# KiCad board CEM.kicad_pcb
title: Rear Electronic Module REM; date: 2024-05-23; rev: rev. 06-2024; company: AEONLABS.SCIENCE; note: https://github.com/aeonSolutions; note: License Creative Commons Share Alike non-commercial; note: a PCB for the REM on 1998-2004 Volvo P2 models; note: a direct replacement of the factory's original pcb
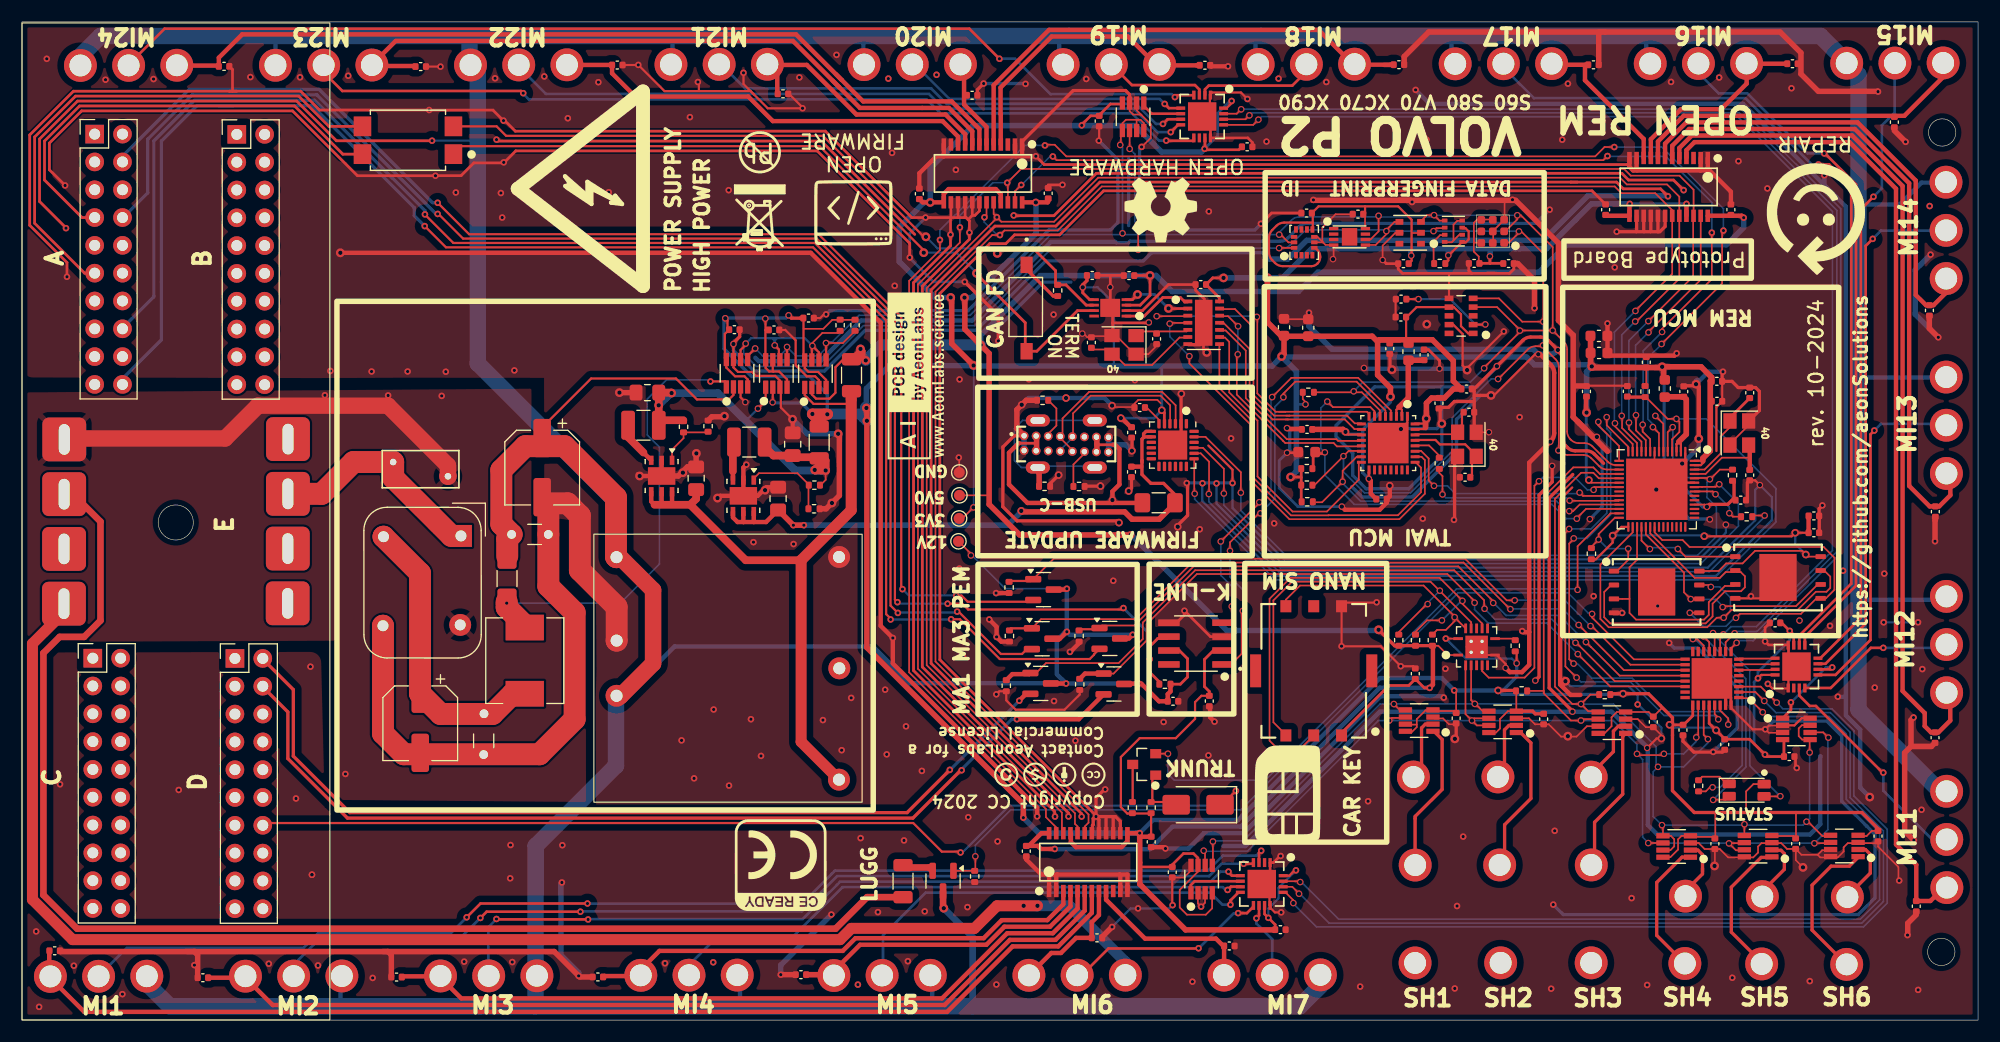
[diagram p0: board, top side]
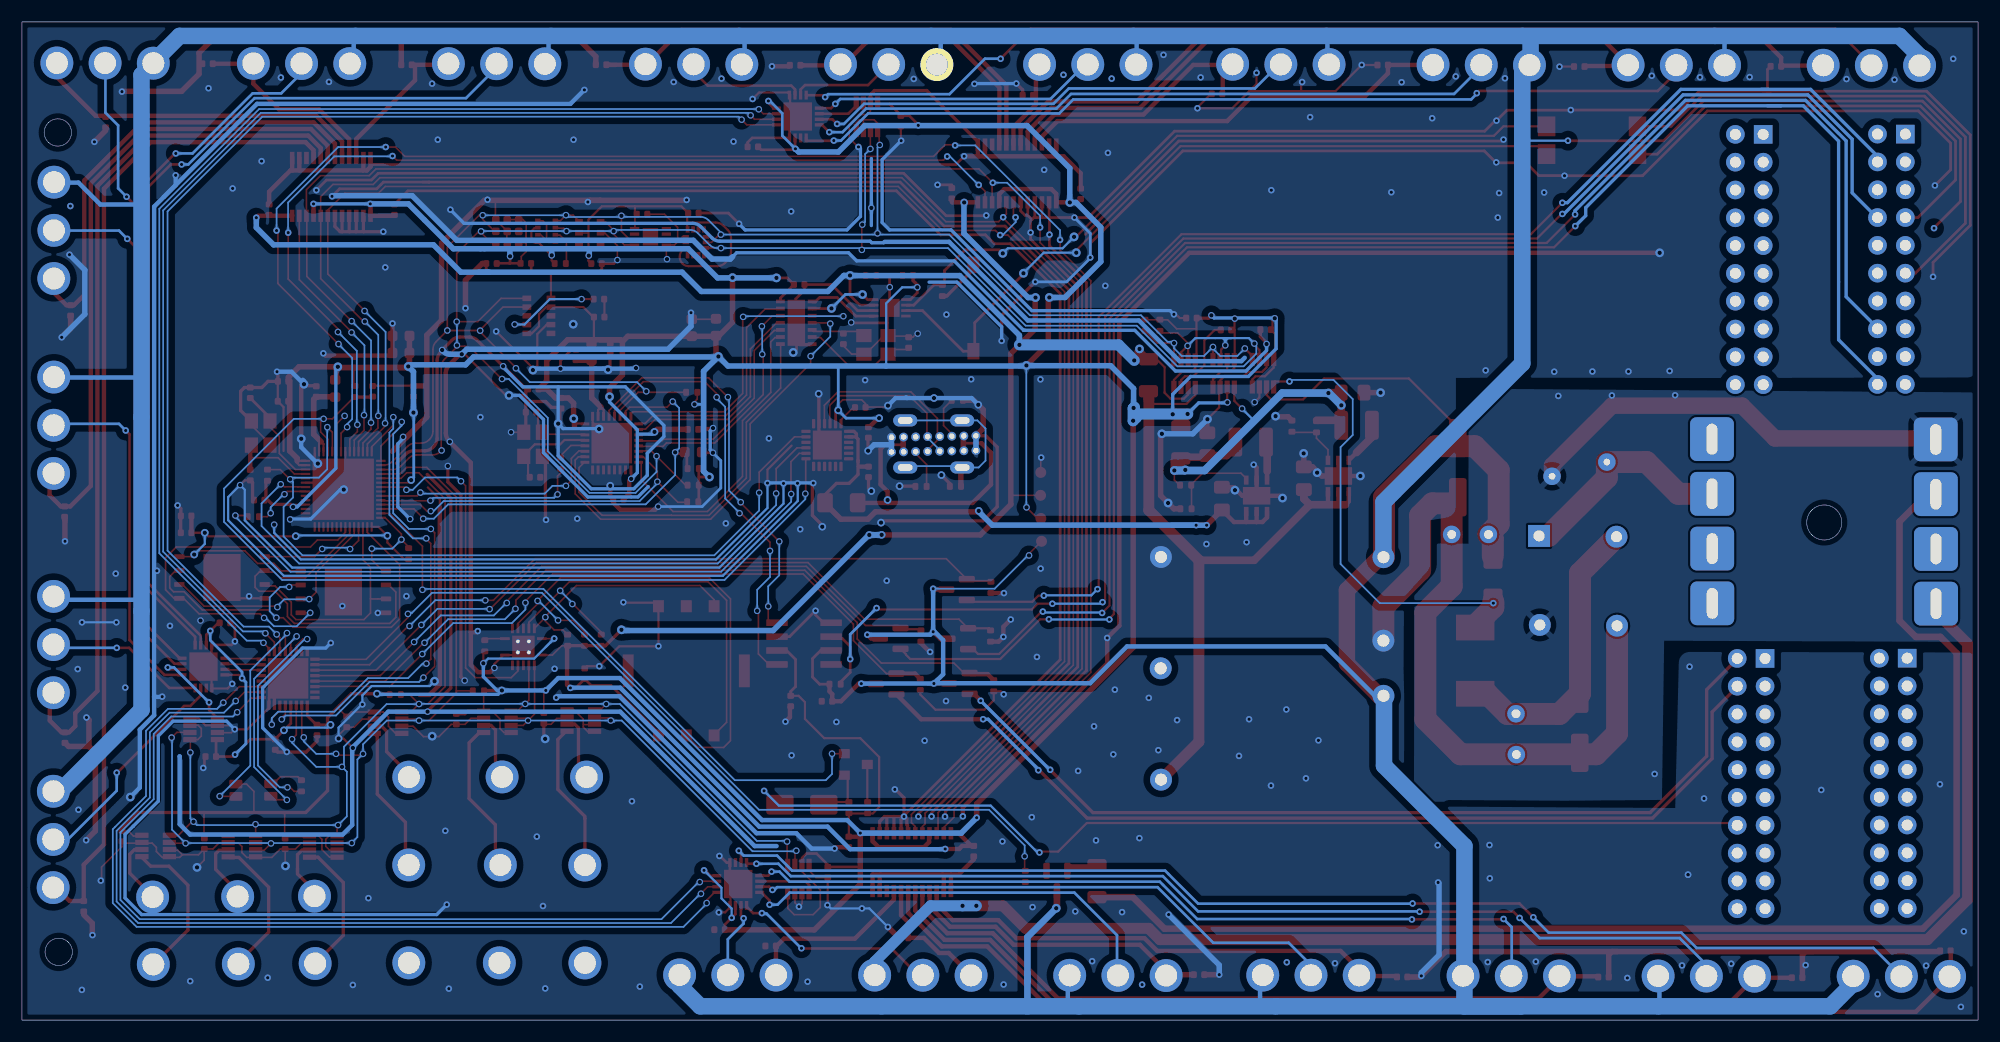
[diagram p1: board, bottom side, seen from below]

Outline 178.52 x 91.17 mm; copper layers: Top, Bottom. Coordinates in mm from the lower left corner of the outline.

## Placement (name value [footprint] x y rotation side)
3V3  3V3  [TestPoint_Pad_D1.0mm]  85.53 45.82 90 top
5V0  5V0  [TestPoint_Pad_D1.0mm]  85.56 47.93 90 top
ACPM_C1  100nF  [C_0402_1005Metric]  151.59 26.49 90 top
ACPM_C2  100nF  [C_0402_1005Metric]  155.4 25.17 90 top
AH_C1  100nF  [C_0402_1005Metric]  126.08 69.09 0 top
ATC1  100nF  [C_0402_1005Metric]  121.93 73.61 0 top
AUR1  AUR9718x_DFN_3x3mm_6_pin  [AUR9718 ST1S09 SON95P300X300X100-7N]  65.84 47.89 270 top
AUR2  AUR9718x_DFN_3x3mm_6_pin  [AUR9718 ST1S09 SON95P300X300X100-7N]  58.38 49.7 270 top
AUR_C1  22uF  [C_0805_2012Metric_Pad1.18x1.45mm_HandSolder]  70.34 52.6 90 top
AUR_C2  4.7uF  [C_0805_2012Metric_Pad1.18x1.45mm_HandSolder]  69.01 47.63 90 top
AUR_C3  22uF  [C_0805_2012Metric_Pad1.18x1.45mm_HandSolder]  57.08 57.31 180 top
AUR_C4  4.7uF  [C_0805_2012Metric_Pad1.18x1.45mm_HandSolder]  61.53 49.49 90 top
AUR_l1  3.3uF  [L_1210_3225Metric]  66.38 52.79 180 top
AUR_l2  3.3uF  [L_1210_3225Metric]  56.72 54.33 180 top
AUR_R1  24k  [R_0402_1005Metric]  72.29 46.7 0 top
AUR_R2  75k  [R_0402_1005Metric]  72.32 48.86 180 top
AUR_R3  24k  [R_0402_1005Metric]  62.62 54.25 90 top
AUR_R4  75k  [R_0402_1005Metric]  60.38 54.19 270 top
BMPR1  10k  [R_0402_1005Metric]  129.39 69.1 0 top
C1  100uF  [CP_Elec_6.3x7.7]  36.35 27.11 270 top
C3_C1  10uF  [C_0603_1608Metric]  115.18 63.28 90 top
C3_C2  10uF  [C_0603_1608Metric]  117.39 63.24 90 top
C3_P2_L1  2nH  [L_0603_1608Metric]  126.54 61.05 270 top
C3_P32_C1  100nF  [C_0402_1005Metric]  129.32 56.34 90 top
C3P2_C1  100nF  [C_0402_1005Metric]  127.96 60.76 90 top
C3P2_C2  100nF  [C_0402_1005Metric]  124.83 61.33 270 top
C3P6_R1  10k  [R_0402_1005Metric]  117.4 57.34 0 top
C3P7_C1  1uF  [C_0603_1608Metric]  117.26 51.88 0 top
C3P7_R1  10k  [R_0402_1005Metric]  117.26 50.37 0 top
C3P11_C1  100nF  [C_0402_1005Metric]  117.28 53.95 180 top
C3P14_R1  10k  [R_0402_1005Metric]  117.26 48.86 0 top
C3P15_R1  10k  [R_0402_1005Metric]  117.3 47.34 0 top
C3P17_C1  100nF  [C_0402_1005Metric]  124.08 47.58 0 top
C3P28_R1  499R  [R_0402_1005Metric]  129.35 50.86 90 top
C3P32_C1  1uF  [C_0402_1005Metric]  131.84 57.64 180 top
C3XTAL32_2  32.768Mhz  [Crystal_SMD_3225-4Pin_3.2x2.5mm]  100.58 61.67 180 top
C3XTAL40_1  40Mhz  [Crystal_SMD_3225-4Pin_3.2x2.5mm]  131.87 52.59 90 top
C3XTAL40_C1  22pF  [C_0402_1005Metric]  132.06 55.52 0 top
C3XTAL40_C2  22pF  [C_0402_1005Metric]  131.7 49.58 180 top
C4  1uF  [C_Disc_D3.0mm_W1.6mm_P2.50mm#2]  42.14 26.75 270 top
C5  100uF  [CP_Elec_6.3x7.7]  47.48 50.46 270 top
C6  1uF  [C_Disc_D3.0mm_W1.6mm_P2.50mm]  45.54 44.36 0 top
CHC1  1uF  [C_0402_1005Metric]  101.26 50.07 270 top
CHC2  1uF  [C_0402_1005Metric]  102.01 55.95 0 top
CHC3  1uF  [C_0402_1005Metric]  101.27 53.67 270 top
DMP1045_R1  10K  [R_0402_1005Metric]  86.95 13.12 270 top
DMP1045_R2  10K  [R_0402_1005Metric]  89.83 30.54 270 top
DMP1045_R3  10K  [R_0402_1005Metric]  96.53 30.66 270 top
DMP1045_R4  10K  [R_0402_1005Metric]  90.12 35.08 270 top
DMP1045_R5  10K  [R_0402_1005Metric]  96.48 35.08 270 top
DMP1045_R7  10K  [R_0402_1005Metric]  90.09 39.52 270 top
DMP1045U_1  DMP1045U  [SOT-23]  84.06 12.7 270 top
DMP1045U_2  DMP1045U  [SOT-23]  92.97 30.75 0 top
DMP1045U_3  DMP1045U  [SOT-23]  99.65 30.7 0 top
DMP1045U_4  DMP1045U  [SOT-23]  93.11 34.84 0 top
DMP1045U_5  DMP1045U  [SOT-23]  99.28 34.86 0 top
DMP1045U_7  DMP1045U  [SOT-23]  93.23 39.32 0 top
E_SPI_C1  100nF 10% 16V  [C_0402_1005Metric]  163.53 44.51 0 top
E_SPI_C2  1uF 10% 50V  [C_0402_1005Metric]  163.53 46.05 0 top
ENS_C1  100nF  [C_0402_1005Metric]  135.67 69.1 180 top
ENS_C2  1uF  [C_0402_1005Metric]  132.53 69.11 0 top
ENS_C3  100nF  [C_0402_1005Metric]  127.16 31.64 270 top
EPS1  ESP32-PSRAM_LY68L6400S  [WSON8 FLASH SPI SON127P800X600X80-9N]  149.19 39.11 0 top
ER1  1R  [R_1206_3216Metric]  44.27 40.32 90 top
ER2  1R  [R_1206_3216Metric]  75.71 58.9 90 top
ER3  1R  [R_1206_3216Metric]  72.76 52.77 270 top
ER4  1R  [R_1206_3216Metric]  80.41 12.69 270 top
ESP32S1  ESP32-S3  [QFN-56-1EP_7x7mm_P0.4mm_EP5.6x5.6mm]  149.2 48.48 270 top
ESP_FLASH1  W25Q128JVS  [WSON8 FLASH SPI SON127P800X600X80-9N]  160.26 40.42 0 top
FL1  CANBUS TDK ZJYS51R5-2PT-01  [TDK ZJYS  CANBUS]  35.23 80.36 180 top
G***  LOGO  [right_repair]  163.72 73.13 180 top
G***#2  LOGO  [aeon creative commons logos]  93.82 22.37 180 top
G***#3  LOGO  [aeonlabs science]  81.62 58.83 90 top
G***#4  LOGO  [open_firmware]  76.03 74.69 180 top
G***#5  LOGO  [CE Ready Small Logo]  69.25 14.15 180 top
G***#6  LOGO  [sim_card]  115.5 20.73 0 top
GND1  GND  [TestPoint_Pad_D1.0mm]  85.54 50.02 90 top
HLL1  SQ1010_8x5mm  [Common Mode Inductor SQ1010 8x5mm]  37.39 40.41 270 top
HLV1  Varistor  [RV_Disc_D7mm_W3.4mm_P5mm]  33.88 50.97 0 top
IC_ENS1  ~  [ENS160 Gas Semsor]  134.26 72.05 180 top
IMU1  LSM6DS3  [LSM6DS3 Motion Sensor PQFN50P300X250X86-14N]  117.02 71.03 90 top
INA1  INA219AIDCNR  [INA219AIDCNR SOT65P280X145-8N]  68.85 59.06 90 top
INA1_C1  100nF  [C_0402_1005Metric]  68.64 63.03 180 top
INA1_C2  100nF  [C_0402_1005Metric]  71.79 64.12 180 top
INA1_C3  100nF  [C_0402_1005Metric]  65.02 63.06 180 top
INA1_C4  100nF  [C_0402_1005Metric]  130.89 27.58 90 top
INA1_C5  100nF  [C_0402_1005Metric]  138.88 27.5 90 top
INA1_C6  100nF  [C_0402_1005Metric]  148.88 27.23 90 top
INA1_C7  100nF  [C_0402_1005Metric]  154.5 16.11 90 top
INA1_C8  100nF  [C_0402_1005Metric]  161.87 16.11 90 top
INA1_C9  100nF  [C_0402_1005Metric]  169.39 16.8 90 top
INA1_C10  100nF  [C_0402_1005Metric]  104.98 13.5 90 top
INA1_C11  100nF  [C_0402_1005Metric]  161.28 24.07 180 top
INA1_C12  100nF  [C_0402_1005Metric]  98.31 82.11 90 top
INA2  INA219AIDCNR  [INA219AIDCNR SOT65P280X145-8N]  72.42 59.04 90 top
INA3  INA219AIDCNR  [INA219AIDCNR SOT65P280X145-8N]  65.26 59.08 90 top
INA4  INA219AIDCNR  [INA219AIDCNR SOT65P280X145-8N]  127.52 27.36 180 top
INA5  INA219AIDCNR  [INA219AIDCNR SOT65P280X145-8N]  135.13 27.24 180 top
INA6  INA219AIDCNR  [INA219AIDCNR SOT65P280X145-8N]  145.11 27.17 180 top
INA7  INA219AIDCNR  [INA219AIDCNR SOT65P280X145-8N]  151.02 15.86 180 top
INA8  INA219AIDCNR  [INA219AIDCNR SOT65P280X145-8N]  158.45 15.89 180 top
INA9  INA219AIDCNR  [INA219AIDCNR SOT65P280X145-8N]  166.31 15.91 180 top
INA10  INA219AIDCNR  [INA219AIDCNR SOT65P280X145-8N]  107.66 12.88 90 top
INA11  INA219AIDCNR  [INA219AIDCNR SOT65P280X145-8N]  161.94 26.59 0 top
INA12  INA219AIDCNR  [INA219AIDCNR SOT65P280X145-8N]  101.41 82.5 270 top
J1  USB4120-03-C_REVA  [USB-C Vertical GCT_USB4120-03-C_REVA]  95.31 52.62 0 top
J2  Nano Sim SIM8051-6-0-14-00-X-REVD  [Nano Sim GCT_SIM8051-6-0-14-00-X-REVD]  117.89 31.9 0 top
KTS1  KTS1620 GPIO Exprander I2C 24bit  [KTS1620 24bit IO Expander QFN32 5x5mm.lib]  154.23 31.21 180 top
L1  10uH  [L_Chilisin_BMRB00060650]  45.89 32.83 90 top
LED1  LED_GBRC  [LED_1206_3210_RGB_Metric]  157.17 20.95 0 top
LIN_C1  100nF  [C_0402_1005Metric]  105.05 29.12 0 top
LIN_C2  100nF  [C_0402_1005Metric]  108.36 29.14 270 top
LSM_C4  100nF  [C_0402_1005Metric]  117.24 73.71 0 top
MCP_P3_C1  100nF  [C_0402_1005Metric]  101.03 68 180 top
MCP_P5_C2  100nF  [C_0402_1005Metric]  97.68 68.01 0 top
MCP_P14_C1  100nF  [C_0402_1005Metric]  107.59 67.18 180 top
MCPXTAL32_C1  22pF  [C_0402_1005Metric]  97.6 61.89 90 top
MCPXTAL32_C2  22pF  [C_0402_1005Metric]  103.55 62.22 270 top
MPR3  500R  [R_0402_1005Metric]  76.03 63.46 90 top
MPR4  500R  [R_0402_1005Metric]  74.67 63.47 90 top
MPR5  2k  [R_0402_1005Metric]  144.45 29.73 0 top
MPR6  2k  [R_0402_1005Metric]  136.86 30.07 180 top
NCV1_C2  100nF  [C_0402_1005Metric]  110.19 6.77 0 top
NCV1_C3  100nF  [C_0402_1005Metric]  98.11 7.51 0 top
NCV1_C4  100nF  [C_0402_1005Metric]  2.99 6.33 0 top
NCV1_C5  100nF  [C_0402_1005Metric]  16.52 3.87 180 top
NCV1_C6  100nF  [C_0402_1005Metric]  34.19 3.93 180 top
NCV1_C7  100nF  [C_0402_1005Metric]  71.1 4.15 180 top
NCV1_C8  100nF  [C_0402_1005Metric]  52.56 3.94 180 top
NCV1_C9  100nF  [C_0402_1005Metric]  93.66 75.52 90 top
NCV1_C10  100nF  [C_0402_1005Metric]  81.9 75.47 90 top
NCV2_C7  100nF  [C_0402_1005Metric]  144.53 74.02 90 top
NCV2_C8  100nF  [C_0402_1005Metric]  155.96 74.02 90 top
NCV2_C10  100nF  [C_0402_1005Metric]  172.88 10.4 270 top
NCV2_C11  100nF  [C_0402_1005Metric]  174.59 25.8 270 top
NCV2_C12  100nF  [C_0402_1005Metric]  174.62 46.44 270 top
NCV2_C13  100nF  [C_0402_1005Metric]  174.08 64.81 270 top
NCV2_C14  100nF  [C_0402_1005Metric]  170.88 82.02 270 top
NCV2_C15  100nF  [C_0402_1005Metric]  161.58 87.35 0 top
NCV2_C16  100nF  [C_0402_1005Metric]  143.42 87.25 0 top
NCV3_C13  100nF  [C_0402_1005Metric]  103.06 16.28 270 top
NCV3_C14  100nF  [C_0402_1005Metric]  91.66 15.43 270 top
NCV3_C18  100nF  [C_0402_1005Metric]  107.96 87.21 0 top
NCV3_C19  100nF  [C_0402_1005Metric]  125.67 87.26 0 top
NCV3_C20  100nF  [C_0402_1005Metric]  86.72 84.47 0 top
NCV3_C21  100nF  [C_0402_1005Metric]  18.45 87.11 0 top
NCV3_C22  100nF  [C_0402_1005Metric]  36.4 87.09 0 top
NCV3_C23  100nF  [C_0402_1005Metric]  69.46 84.6 0 top
NCV3_C24  100nF  [C_0402_1005Metric]  54.34 87.23 0 top
NPN1  ~  [NPN & PNP SOT-23]  102.42 23.35 180 top
PSRAM_R1  100K  [R_0402_1005Metric]  143.23 42.6 270 top
PWR_FUSE1  Polyfuse  [Fuse_1206_3216Metric_Pad1.42x1.75mm_HandSolder]  103.74 47.25 180 top
R1  120R  [R_0402_1005Metric]  94.52 66.64 270 top
REF**  -  [Symbol_Highvoltage_Type2_Front_Silk_Small]  52.87 75.93 90 top
REF**#2  -  [OSHW-Symbol_6.7x6mm_SilkScreen]  103.94 74.01 180 top
RGB_R1  330R  [R_0402_1005Metric]  153.01 21.4 90 top
RV_C1  47pF  [C_0402_1005Metric]  125.84 64.21 0 top
RV_C2  47pF  [C_0402_1005Metric]  125.87 65.85 0 top
S1  DIP Switch 1 toggle  [Dip Switch 1_toggle]  91.69 65.54 270 top
S3_VDD3_C1  10uF  [C_0603_1608Metric]  143.92 62.49 0 top
S3_VDD3_C2  10uF  [C_0603_1608Metric]  143.93 60.93 0 top
S3_XTAL40_1  40Mhz 22pF+-10PPM  [Crystal_SMD_3225-4Pin_3.2x2.5mm]  156.73 53.62 270 top
S3_XTAL40_C1  22pF 5% 50V  [C_0402_1005Metric]  157.68 57.3 90 top
S3_XTAL40_C2  22pF 5% 50V  [C_0402_1005Metric]  157.68 49.78 270 top
S3P2_C1  100nF  [C_0402_1005Metric]  148.24 60.08 90 top
S3P2_C2  100nF  [C_0402_1005Metric]  151.66 57.41 90 top
S3P2_L1  12nH 5%  [L_0603_1608Metric]  149.93 57.69 270 top
S3P4_C1  100nF  [C_0402_1005Metric]  146.51 57.43 270 top
S3P4_R1  10k  [R_0402_1005Metric]  148.13 57.41 270 top
S3P20_C1  100nF  [C_0402_1005Metric]  142.78 57.42 90 top
S3P46_C1  100nF  [C_0402_1005Metric]  156.86 47.49 0 top
S3P49_R1  499R  [R_0402_1005Metric]  157.4 45.98 180 top
S3P52_R1  10k  [R_0402_1005Metric]  156.11 49.77 90 top
S3P52_R2  10k  [R_0402_1005Metric]  127.18 34.7 90 top
S3P52_R3  10k  [R_0402_1005Metric]  125.65 34.7 90 top
S3P52_R4  10k  [R_0402_1005Metric]  128.72 34.7 90 top
S3P55_C1  100nF  [C_0402_1005Metric]  154.69 56.52 180 top
S3P55_C2  1uF  [C_0402_1005Metric]  154.68 58.34 180 top
Sign-PbFree  -  [LOGO_PBFREE]  67.14 79.57 180 top
Sign-RecycleBin  -  [LOGO_RECYCLEBIN_1]  69.67 76.31 180 top
TP1  12V  [TestPoint_Pad_D1.0mm]  85.47 43.73 90 top
TRUNK_D1  SS12  [D_SMA]  107.34 19.67 180 top
TRUNK_R1  10K  [R_0402_1005Metric]  103.05 19.41 270 top
TRUNK_R2  10K  [R_0402_1005Metric]  101.34 19.41 270 top
TX1_C1  100nF  [C_0402_1005Metric]  111.81 79.76 180 top
TX1_C2  100nF  [C_0402_1005Metric]  114.85 8.26 180 top
TX1_C13  100nF  [C_0402_1005Metric]  159.99 36.28 0 top
TXMUX1  ~  [TMUX8108 WQFN 16]  113.22 12.5 270 top
TXR1  10K  [R_0402_1005Metric]  136.28 34.19 90 top
TXR2  10K  [R_0402_1005Metric]  104.31 30.68 180 top
TXS1  TXS0104ERGYR  [TXS104 Bidirectional Logic Shifter]  132.76 34.09 90 top
U1  ~  [Volvo P2 -04 CEM & REM PCB layout]  105.47 45.39 90 top
U2  ~  [Hi Link DCDC]  63.65 31.75 0 top
U3  ~  [CH9102F]  105.02 52.52 270 top
U4  ESP32C3  [ESP32 C3]  124.69 52.7 270 top
U5  ATSHA204A-MAHDA-T  [ATSHA204A-MAHDA-T UDFN-8]  121.16 71.54 0 top
U6  MCP2558FDT-H/MNY  [MCP2558FD CAN Transceiver]  99.32 65.05 180 top
U7  BMP280  [XDCR_BMP280]  130.64 72.06 180 top
U8  AHT20  [AHT20 PSON100P300X300X110-6N]  126.7 71.91 180 top
U9  MCP2517FD-H_JHA  [MCP2517FD CAN Controller]  107.85 63.69 0 top
U10  NCV7240DPR2G  [NCV7240 Relay Driver]  87.71 77.33 270 top
U11  NCV7240DPR2G  [NCV7240 Relay Driver]  150.28 76.1 270 top
U12  NCV7240DPR2G  [NCV7240 Relay Driver]  97.31 14.43 90 top
U13  ~  [TMUX8108 WQFN 16]  107.78 82.6 270 top
U14  ~  [TMUX8108 WQFN 16]  161.88 32.22 90 top
U15  SN65HVDA195QDRQ1 K-Line  [SN65HVDA195 K-Line]  107.15 34.39 180 top
U16  RV-1805-C3_Power_Gating  [IC_RV-1805-C3 Power Gating]  131.34 64.32 180 top
USB_PLUG_R1  5k1  [R_0402_1005Metric]  93.15 56.61 180 top
USB_PLUG_R2  5k1  [R_0402_1005Metric]  96.47 48.74 0 top
USB_PLYG_R1  150K  [R_0402_1005Metric]  93.33 48.75 0 top

## Library data of the parts
3V3 5V0 GND1 TP1 = -: ki_fp_filters: Pin* Test*
ACPM_C1 ACPM_C2 AH_C1 ATC1 AUR_C1-AUR_C4 C3_C1 C3_C2 C3_P32_C1 C3P2_C1 C3P2_C2 C3P7_C1 C3P11_C1 C3P17_C1 C3P32_C1 C3XTAL40_C1 C3XTAL40_C2 CHC1-CHC3 E_SPI_C1 E_SPI_C2 ENS_C1-ENS_C3 INA1_C1-INA1_C12 LIN_C1 LIN_C2 LSM_C4 MCP_P3_C1 MCP_P5_C2 MCP_P14_C1 MCPXTAL32_C1 MCPXTAL32_C2 NCV1_C2-NCV1_C10 NCV2_C7 NCV2_C8 NCV2_C10-NCV2_C16 NCV3_C13 NCV3_C14 NCV3_C18-NCV3_C24 RV_C1 RV_C2 S3_VDD3_C1 S3_VDD3_C2 S3_XTAL40_C1 S3_XTAL40_C2 S3P2_C1 S3P2_C2 S3P4_C1 S3P20_C1 S3P46_C1 S3P55_C1 S3P55_C2 TX1_C1 TX1_C2 TX1_C13 = -: ki_fp_filters: C_*
AUR1 AUR2 = -: Datasheet: https://www.infineon.com/dgdl/auips7111s.pdf?fileId=5546d462533600a4015355a7c94e1326; Description: Current Sense High Side Switch, 65V, 30A, D2PAK-5L; ki_fp_filters: TO?263*
AUR_l1 AUR_l2 C3_P2_L1 HLL1 S3P2_L1 = -: ki_fp_filters: Choke_* *Coil* Inductor_* L_*
AUR_R1-AUR_R4 BMPR1 C3P6_R1 C3P7_R1 C3P14_R1 C3P15_R1 C3P28_R1 DMP1045_R1-DMP1045_R5 DMP1045_R7 ER1-ER4 MPR3-MPR6 PSRAM_R1 RGB_R1 S3P4_R1 S3P49_R1 S3P52_R1-S3P52_R4 TRUNK_R1 TRUNK_R2 TXR1 TXR2 USB_PLUG_R1 USB_PLUG_R2 USB_PLYG_R1 = -: ki_fp_filters: R_*
C1 C5 = -: Voltage: 50V; Digikey Part Number: PCE3925CT-ND; Manufacturer_Name: Panasonic; Manufacturer_Part_Number: EEE-1HA330XP; URL: https://www.digikey.com.au/product-detail/en/panasonic-electronic-components/EEE-1HA330XP/PCE3925CT-ND/766301; ki_fp_filters: CP_*
C3XTAL32_2 C3XTAL40_1 S3_XTAL40_1 = -: ki_fp_filters: Crystal*
C4 C6 = -: Description: Unpolarized capacitor; ki_fp_filters: C_*
DMP1045U_1-DMP1045U_5 DMP1045U_7 = -: STANDARD: IPC 7351B; MANUFACTURER: Diodes Inc.; MAXIMUM_PACKAGE_HEIGHT: 1.1 mm; PARTREV: 7 - 2
EPS1 = -: Datasheet: https://www.espressif.com/sites/default/files/documentation/esp-psram32_datasheet_en.pdf; ki_fp_filters: SOIC*3.9x4.9mm?P1.27mm*
ESP_FLASH1 = -: Datasheet: http://www.winbond.com/resource-files/w25q128jv_dtr%20revc%2003272018%20plus.pdf; ki_fp_filters: SOIC*5.23x5.23mm*P1.27mm*
FL1 = -: MF: TDK; Description_1: 2 Line Common Mode Choke Surface Mount 200 Ohms @ 100 MHz 2A DCR 120mOhm; Package: Horizontal-4 TDK; Price: None; Check_prices: https://www.snapeda.com/parts/ZJYS51R5-2PT-01/TDK/view-part/?ref=eda; STANDARD: Manufacturer Recommendations; SnapEDA_Link: https://www.snapeda.com/parts/ZJYS51R5-2PT-01/TDK/view-part/?ref=snap; MP: ZJYS51R5-2PT-01; Availability: In Stock; MANUFACTURER: TDK CORPORATION
HLV1 = -: ki_fp_filters: RV_* Varistor*
IMU1 = -: Datasheet: www.st.com/resource/en/datasheet/lsm6ds3.pdf; ki_fp_filters: LGA*3x2.5mm*P0.5mm*LayoutBorder3x4y*
INA1-INA12 = -: Description: 26V, 12-bit, i2c output current/voltage/power monitor; MF: Texas Instruments; Package: SOT-23-8 Texas Instruments; Price: None; SnapEDA_Link: https://www.snapeda.com/parts/INA219AIDCNR/Texas+Instruments/view-part/?ref=snap; Purchase-URL: https://www.snapeda.com/api/url_track_click_mouser/?unipart_id=271718&manufacturer=Texas Instruments&part_name=INA219AIDCNR&search_term=None; Availability: In Stock; Check_prices: https://www.snapeda.com/parts/INA219AIDCNR/Texas+Instruments/view-part/?ref=eda
J1 = -: Description: USB 2.0 Connector Type C Vertical Receptacle, 6.50mm profile, 16 Pins, Surface mount, Top mount, low profile, low cost; MF: Global Connector Technology; MAXIMUM_PACKAGE_HEIGHT: 6.5mm; Package: None; Price: None; Check_prices: https://www.snapeda.com/parts/USB4120-03-C/Global+Connector+Technology/view-part/?ref=eda; STANDARD: Manufacturer Recommendations; PARTREV: A; SnapEDA_Link: https://www.snapeda.com/parts/USB4120-03-C/Global+Connector+Technology/view-part/?ref=snap; MP: USB4120-03-C; Availability: In Stock; MANUFACTURER: GCT
J2 = -: MANUFACTURER: GCT
KTS1 = -: Description: ARM Microcontrollers - MCU CORTEX M0+32K FLASH; MANUFACTURER_PART_NUMBER: MKL02Z32VFM4; RS_PRICE-STOCK: http://uk.rs-online.com/web/p/products/7884732; RS_PART_NUMBER: 7884732; MOUSER_PART_NUMBER: 841-MKL02Z32VFM4; MOUSER_PRICE-STOCK: https://www.mouser.com/Search/Refine.aspx?Keyword=841-MKL02Z32VFM4; HEIGHT: 1mm
L1 = -: Description: Inductor; ki_fp_filters: Choke_* *Coil* Inductor_* L_*
LED1 = -: ki_fp_filters: LED* LED_SMD:* LED_THT:*
PWR_FUSE1 = -: ki_fp_filters: *polyfuse* *PTC*
R1 = -: Manufacturer_Name: Yageo; Manufacturer_Part_Number: RC0805FR-07120RL; URL: https://www.digikey.com/products/en?keywords=311-120CRCT-ND; Digikey Part Number: 311-120CRCT-ND; ki_fp_filters: R_*
S1 = -: PARTREV: V0.0; MANUFACTURER: CUI Inc.; STANDARD: Manufacturer Recommendations; MAXIMUM_PACKAGE_HEIGHT: 4.86 mm
TRUNK_D1 = -: Datasheet: https://www.vishay.com/docs/88746/ss12.pdf; Description: 20V 1A Schottky Diode, SMA; ki_fp_filters: D*SMA*
TXS1 = -: MANUFACTURER: TEXAS INSTRUMENTS; PARTREV: H; STANDARD: IPC 7351B
U4 = -: Description: WiFi Modules (802.11) (Engineering Samples Only) SMD IC ESP32-C3, RISC-V single-core MCU, 2.4G Wi-Fi & BLE 5.0 combo, QFN 32-pin, 5*5 mm, 40 ~ 105C; MF: Espressif Systems; Package: VFQFN-32 Espressif Systems; Price: None; SnapEDA_Link: https://www.snapeda.com/parts/ESP32-C3/Espressif+Systems/view-part/?ref=snap; MP: ESP32-C3; Purchase-URL: https://www.snapeda.com/api/url_track_click_mouser/?unipart_id=5833677&manufacturer=Espressif Systems&part_name=ESP32-C3&search_term=None; Availability: In Stock; Check_prices: https://www.snapeda.com/parts/ESP32-C3/Espressif+Systems/view-part/?ref=eda; Description_1: WiFi Modules (802.11) (Engineering Samples Only) SMD IC ESP32-C3, RISC-V single-core MCU, 2.4G Wi-Fi & BLE 5.0 combo, QFN 32-pin, 5*5 mm, 40 ~ 105C
U5 = -: MANUFACTURER: Microchip; STANDARD: Manufacturer recommendation; PART_REV: A
U6 = -: ki_fp_filters: TDFN8_MNY_MCH TDFN8_MNY_MCH-M TDFN8_MNY_MCH-L
U7 = -: Description: Pressure Sensor 4.35PSI ~ 15.95PSI (30kPa ~ 110kPa) Absolute - 16b 8-SMD; MF: Bosch; Package: SMD-8 Bosch Sensortec; Price: None; Check_prices: https://www.snapeda.com/parts/BMP280/Bosch+Sensortec/view-part/?ref=eda; PART_REV: 1.19; STANDARD: MANUFACTURER RECOMMENDATIONS; SnapEDA_Link: https://www.snapeda.com/parts/BMP280/Bosch+Sensortec/view-part/?ref=snap; Purchase-URL: https://pricing.snapeda.com/search?q=BMP280&ref=eda; Availability: In Stock; MANUFACTURER: Bosch
U8 = -: STANDARD: IPC 7351B; MAXIMUM_PACKAGE_HEIGHT: 1.1mm; PARTREV: V1.0; MANUFACTURER: Asair
U9 = -: MF: Microchip; Description_1: CANbus Controller CAN 2.0 SPI Interface 14-VDFN (4.5x3); Package: VDFN-14 Microchip Technology; Price: None; Check_prices: https://www.snapeda.com/parts/MCP2517FD-H/JHA/Microchip/view-part/?ref=eda; SnapEDA_Link: https://www.snapeda.com/parts/MCP2517FD-H/JHA/Microchip/view-part/?ref=snap; MP: MCP2517FD-H/JHA; Availability: In Stock; Manufacturer: Microchip
U10-U12 = -: Datasheet: http://www.onsemi.com/pub/Collateral/NCV7240-D.PDF; MOUSER_DESCRIPTION: NCV7240 Series 5 V 1.5 Ohm Low Side Octal Low-Side Relay Driver - SSOP-24; NUMBER_OF_OUTPUTS: 8; Check_prices: https://www.snapeda.com/parts/NCV7240DPR2G/Onsemi/view-part/?ref=eda; MOUSER_PART_NUMBER: 863-NCV7240DPR2G; MFG_PACKAGE_IDENT_DATE: 07/2010; PREFIX: U; MAX_SUPPLY_VOLTAGE: 5V; TEMPERATURE_RANGE_LOW: -40°C; OUTPUT_CURRENT: 600mA; ON_STATE_RESISTANCE: 1.5Ω; LEAD_FREE: yes; CENTROID_NOT_SPECIFIED: No; Description_1: NCV7240DPR2G, Octal MOSFET Power Driver, 600mA, 3.3 V, 5V, 24-Pin SSOP | ON Semiconductor NCV7240DPR2G; PIN_0_0_17_INSIDE_EDGE: clock; Price: None; Package: SSOP-24 ON Semiconductor; DEVICE_CLASS_L1: Integrated Circuits (ICs); DEVICE_CLASS_L3: Hot Swap Controllers; DEVICE_CLASS_L2: Power Management ICs; MAX_JUNCTION_TEMP: +150°C; FOOTPRINT_URL: http://www.onsemi.com/pub/Collateral/565AL.PDF; PACKAGE: SSOP24; MFG_PACKAGE_IDENT: 565AL-01; SnapEDA_Link: https://www.snapeda.com/parts/NCV7240DPR2G/Onsemi/view-part/?ref=snap; VERIFICATION_VERSION: 0.0.0.1; STANDOFF_HEIGHT: 0.1mm; HEIGHT: 1.75mm; NUMBER_OF_CHANNELS: 8; MF: ON Semiconductor; Purchase-URL: https://www.snapeda.com/api/url_track_click_mouser/?unipart_id=476229&manufacturer=ON Semiconductor&part_name=NCV7240DPR2G&search_term=None; TEMPERATURE_RANGE_HIGH: +150°C; MIN_SUPPLY_VOLTAGE: 3.3V; MFG_PACKAGE_IDENT_REV: O; Availability: In Stock; ROHS: yes
U15 = -: MF: Texas Instruments; Description_1: Automotive Catalog LIN, MOST ECL, and K-Line Physical Interface; Package: SOIC-8 Texas Instruments; Price: None; SnapEDA_Link: https://www.snapeda.com/parts/SN65HVDA195QDRQ1/Texas+Instruments/view-part/?ref=snap; MP: SN65HVDA195QDRQ1; Availability: In Stock; Check_prices: https://www.snapeda.com/parts/SN65HVDA195QDRQ1/Texas+Instruments/view-part/?ref=eda
U16 = -: Description: Real-Time Clock Module in 2.5 x 3.7 mm package; MF: Micro Crystal; MAXIMUM_PACKAGE_HEIGHT: 0.9 mm; Package: QFN-10 Micro Crystal; Price: None; Check_prices: https://www.snapeda.com/parts/RV-1805-C3/Micro+Crystal/view-part/?ref=eda; STANDARD: Manufacturer Recommendations; PARTREV: 6.2/05.2020; SnapEDA_Link: https://www.snapeda.com/parts/RV-1805-C3/Micro+Crystal/view-part/?ref=snap; MP: RV-1805-C3; Availability: Not in stock; MANUFACTURER: Micro Crystal
